# Altium PCB LimeSDR-QPCIe_1v2.PcbDoc (part 5 of 21) (continued)
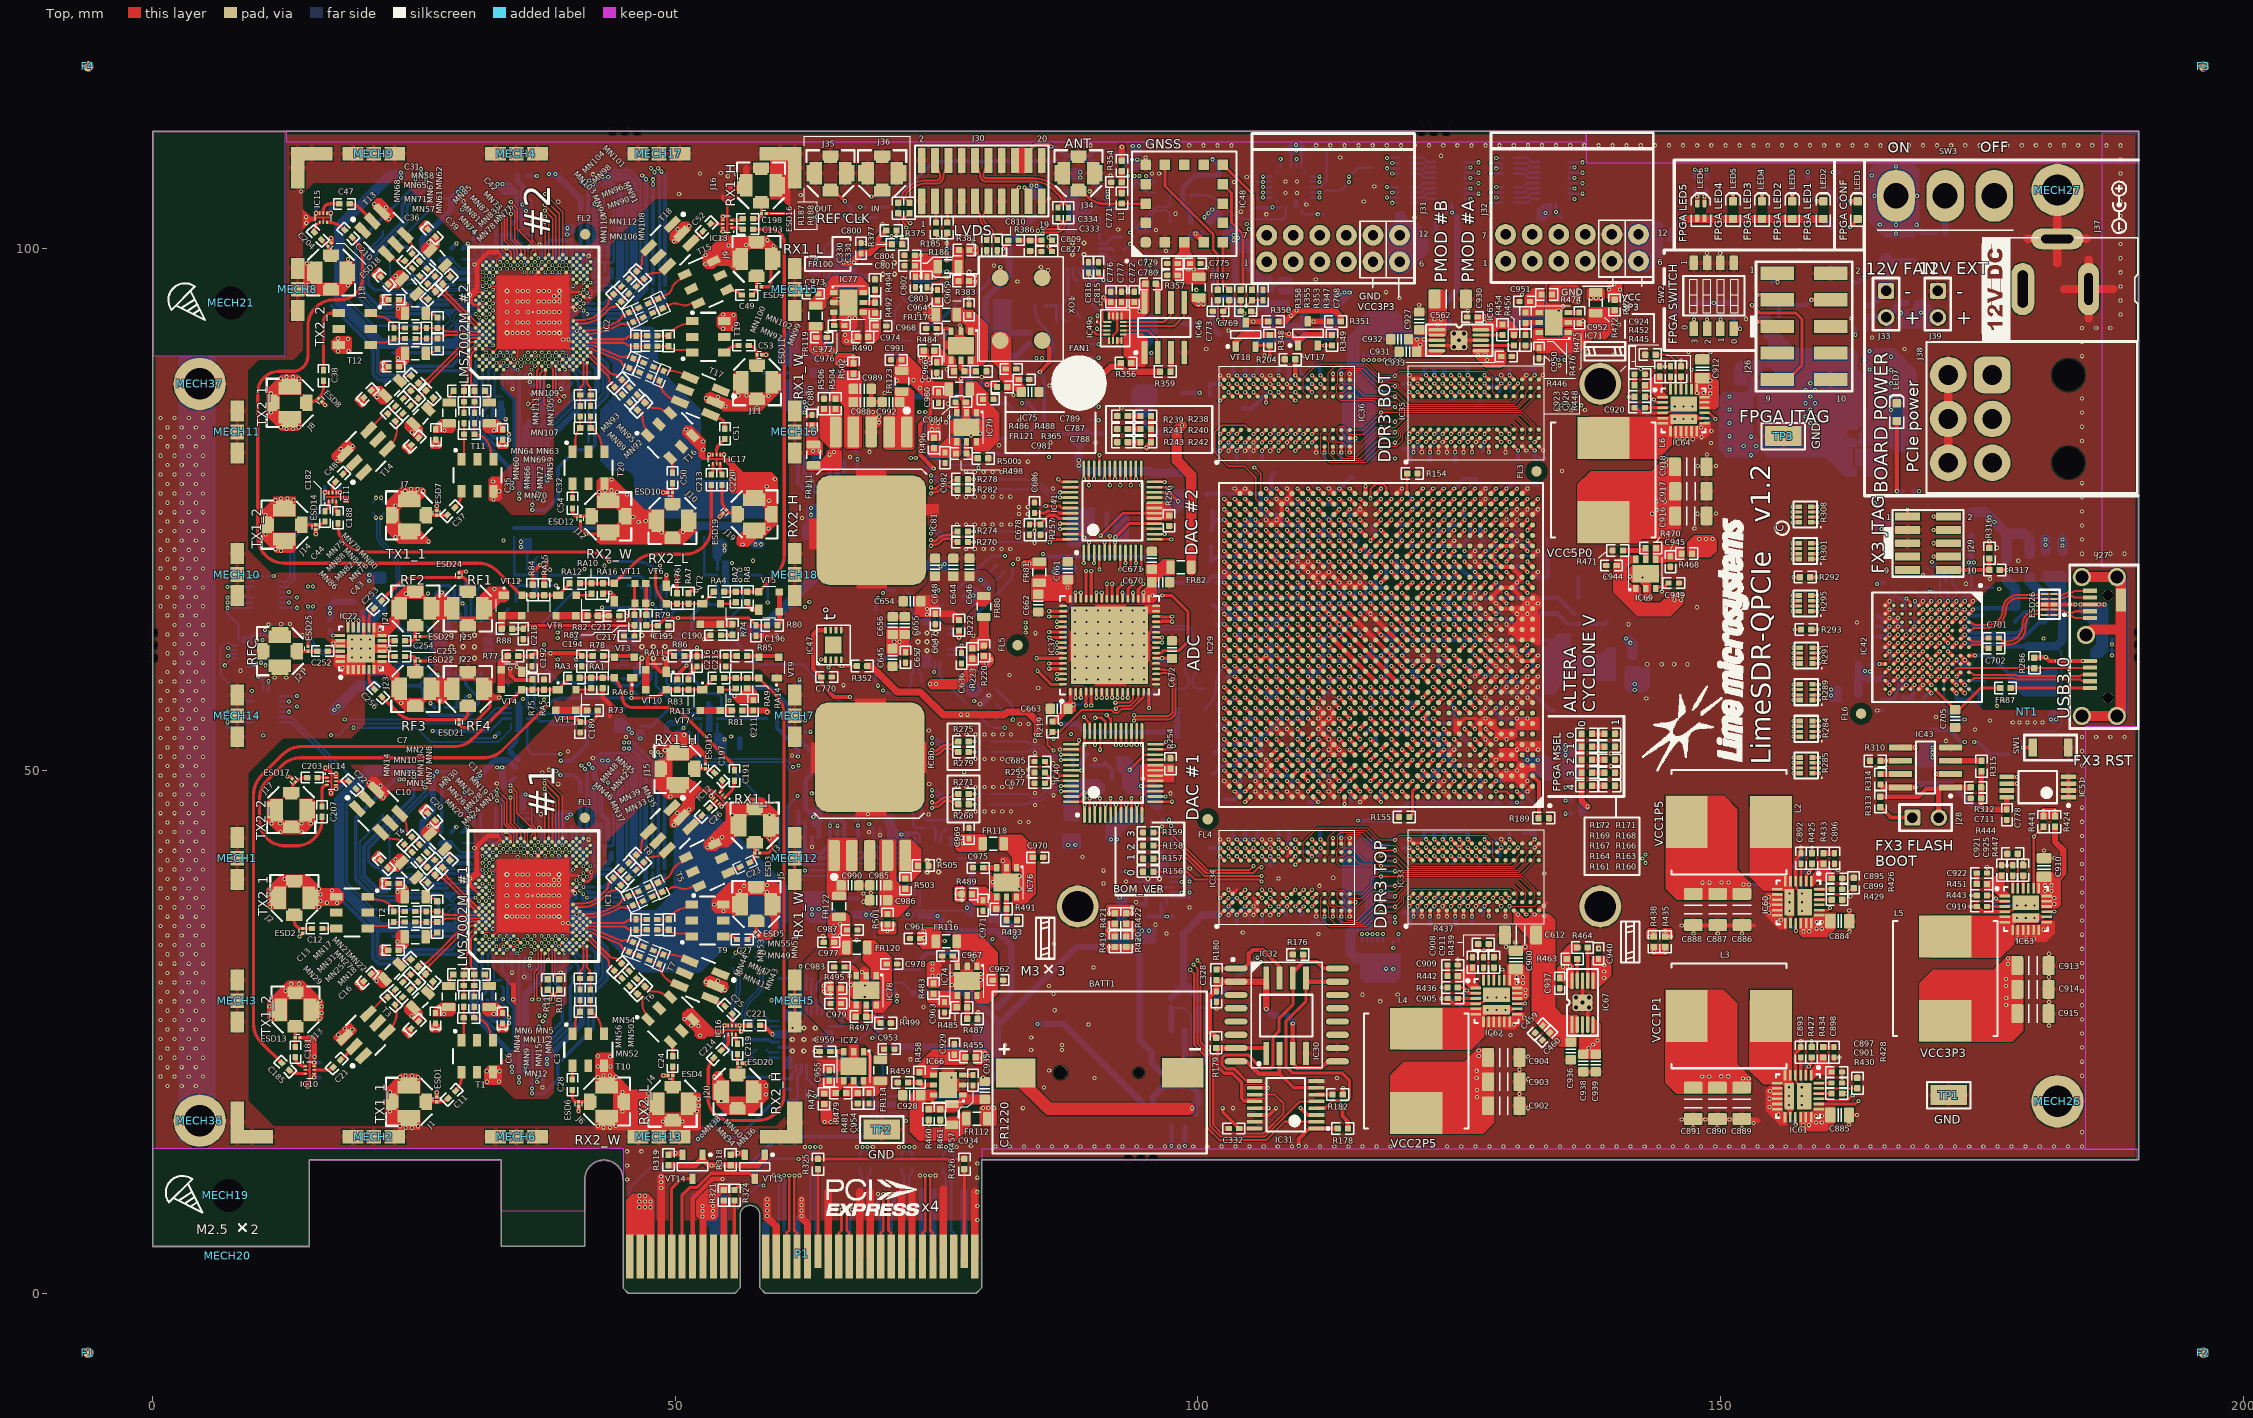
[diagram p0: Top view]
## Part data (continued)
J28 J33 J39: library part Jumper
J29: library part "Header 5X2_SWD", "Header, 5-Pin, Dual row"
J31 J32: library part PMOD_connector, "Header, 4-Pin, Dual row"
J35: library part RF_IF_connector
J37: "Power Connector, THT, 2.1mm ID, 5.5mm OD"
J38: library part PCIe_PWR_HEADER_6PIN
L1 L2 L3 L4 L5 L6 MN1 MN2 MN3 MN4 MN5 MN6 MN7 MN8 MN17 MN18 MN19 MN20 MN21 MN22 MN23 MN24 MN35 MN36 MN51 MN52 MN57 MN58 MN59 MN60 MN61 MN62 MN63 MN64 MN73 MN74 MN75 MN76 MN77 MN78 MN79 MN80 MN91 MN92 MN107 MN108: library part Inductor_0603
LED6: library part LED_green_red_SMD
MECH1 MECH2 MECH3 MECH4 MECH5 MECH6 MECH7 MECH8 MECH9 MECH10 MECH11 MECH12 MECH13 MECH14 MECH15 MECH16 MECH17 MECH18: library part RFI_SHIELD_CLIP
MECH19: library part PCIe_bracket
MECH20 MECH21 MECH26 MECH27 MECH36 MECH37: library part "STANDOFF_M-F_THREADED_M3x8x10mm_HEX_5mm dia", "STANDOFF M/F MET 5MM HEX 10MM L"
R1 R2 R3 R4 R5 R6 R7 R8 R9 R10 R11 R12 R13 R14 R15 R16 R17 R18 R19 R20 R21 R22 R23 R24 R25 R26 R27 R28 R29 R30 R31 R32 R33 R34 R35 R36 R37 R38 R39 R40 R41 R42 R43 R44 R45 R46 R47 R48 R49 R50 R51 R52 R53 R54 R55 R56 R57 R58 R59 R60 R61 R62 R63 R64 R65 R66 R67 R68 R69 R70 R71 R72 R73 R74 R75 R76 R77 R78 R79 R80 R81 R82 R83 R84 R85 R86 R87 R88 R89 R90 R91 R92 R93 R94 R95 R96 R97 R98 R99 R100 R101 R102 R103 R104 R105 R106 R107 R108 R109 R110 R111 R112 R113 R114 R115 R116 R117 R118 R119 R120 R121 R122 R123 R124 R125 R126 R127 R128 R129 R130 R131 R132 R133 R134 R135 R136 R137 R138 R139 R140 R141 R142 R143 R144 R145 R146 R147 R148 R149 R150 R151 R152 R153 R154 R155 R156 R157 R158 R159 R160 R161 R162 R163 R164 R165 R166 R167 R168 R169 R170 R171 R172 R173 R174 R175 R176 R177 R178 R179 R180 R181 R182 R183 R184 R185 R186 R187 R188 R189 R190 R191 R193 R194 R196 R198 R199 R201 R202 R204 R206 R207 R208 R209 R210 R211 R212 R213 R214 R215 R216 R217 R218 R219 R220 R221 R222 R223 R224 R225 R226 R227 R228 R229 R230 R231 R232 R233 R234 R235 R236 R237 R238 R239 R240 R241 R242 R243 R244 R245 R246 R247 R248 R249 R250 R251 R252 R253 R254 R255 R256 R257 R258 R259 R260 R261 R262 R263 R264 R265 R266 R267 R268 R269 R270 R271 R272 R273 R274 R275 R276 R277 R278 R279 R280 R281 R282 R283 R286 R287 R288 R290 R292 R293 R294 R296 R297 R298 R299 R300 R302 R303 R304 R305 R306 R307 R309 R310 R311 R312 R313 R314 R315 R316 R317 R318 R319 R320 R321 R322 R323 R324 R325 R326 R331 R332 R333 R334 R335 R336 R337 R338 R339 R340 R341 R342 R343 R344 R345 R346 R347 R348 R349 R350 R351 R352 R353 R354 R355 R356 R357 R358 R359 R360 R361 R362 R363 R364 R365 R366 R367 R368 R369 R370 R371 R372 R373 R374 R375 R376 R377 R378 R379 R380 R381 R382 R383 R384 R385 R386 R387 R388 R389 R390 R391 R392 R393 R394 R395 R396 R397 R398 R399 R400 R401 R402 R403 R404 R405 R406 R407 R408 R409 R410 R411 R412 R413 R414 R415 R416 R417 R418 R419 R420 R421 R422 R423 R424 R425 R426 R427 R428 R429 R430 R431 R432 R433 R434 R435 R436 R437 R438 R439 R440 R441 R442 R443 R444 R445 R446 R447 R448 R449 R450 R451 R452 R453 R454 R455 R456 R457 R458 R459 R460 R461 R462 R463 R464 R465 R466 R467 R468 R469 R470 R471 R472 R473 R474 R475 R476 R477 R478 R479 R480 R481 R482 R483 R484 R485 R486 R487 R488 R489 R490 R491 R492 R493 R494 R495 R496 R497 R498 R499 R500 R501 R502 R503 R504 R505 R506 RA1 RA2 RA3 RA4 RA5 RA6 RA7 RA8 RA9 RA10 RA11 RA12 RA13 RA14 RA15 RA16: library part Res_0402
R192 R195 R197 R200 R203 R205: library part 8X_resistor_array_0402
R284 R285 R289 R291 R295 R301 R308 R327 R328 R329 R330: library part ResArray_0802
SW1: library part Button
SW2: library part SW_SM_4bit
SW3: library part SW_THD_SPDT_On-On_v2, "Switch THD vertical toggle SPDT"
T3 T4 T7 T8 T13 T14 T17 T18: library part Balun_v2
TP1 TP2 TP3 TP4 TP5: "Test Point PCB mount Miniature White"
VT1 VT2 VT3 VT4 VT5 VT6 VT7 VT8 VT9 VT10 VT11 VT12: library part BF1105R,215
VT19 VT20: library part BSC093N04LS_G
XO1: library part AOCJYR-10.000MHz
XO2: library part RPT7050A
XO3: library part TXCO
XO4: library part Rakon_RTX5032A
XO5 XO6: library part CRYSTAL, "Oscillator Crystal"
XO7 XO8 XO9: library part CRYSTAL_SG3225, "Oscillator Crystal"
XT1: library part CRYSTAL_19M2, "Oscillator Crystal 19.2 MHz"
XT2: library part CRYSTAL_19M2, "Oscillator Crystal 25 MHz"

## Free pads (board coordinates)
  round 0.8 hole 0.9 unplated: 0(0.05,60.775) 0(0.05,61.975) 0(0.05,63.175) 0(43.975,111.2) 0(45.175,111.2) 0(46.375,111.2) 0(93.35,12.8) 0(94.55,12.8) 0(95.75,12.8) 0(121.375,111.175) 0(122.575,111.175) 0(123.775,111.175) 0(190.025,60.825) 0(190.025,62.025) 0(190.025,63.225)
  rect 1.3x4 smd: 0(8.1,16.325) 0(13.875,107.675) 0(61.425,107.675)
  rect 4x1.3 smd: 0(9.525,14.975) 0(15.225,109.025) 0(60.075,109.025) 0(60.1,14.975)
  rect 1.5x4 smd: 0(61.425,16.325)
  round 2.88 hole 3.18 unplated: MH1(7.25,9.35) MH2(7.5,94.75)

## Via types
v1: diameter 0.4, hole 0.2, Top to Bottom, tented both sides, 3282 vias
v2: diameter 0.4, hole 0.2, Top to Bottom, tented top, 531 vias
v3: diameter 0.35, hole 0.2, Top to Bottom, tented top, 210 vias
v4: diameter 0.5, hole 0.2, Top to Bottom, tented both sides, 99 vias
v5: diameter 0.5, hole 0.2, Top to Bottom, tented bottom, 49 vias

## Nets (pads, with @x,y where several pads share a name; then routed paths per layer and width w, separated by ;. In a path a pad name is that pad's centre, name@x,y a point inside that pad or via, vN(x,y) a via of type N, cw(c..) or ccw(c..) an arc to the next point about the centre after c; other vN are vias at no path point)
+1.5V_DIG_LMK3: C261.2 C262.2 C263.2 C264.2 C265.2 C266.2 FR73.2 IC21.2 IC21.6 IC21.19 IC21.23 | length 46.2
  L6 w0.4: v1(62.425,40.45) 71.55,40.45 75.125,36.875 v1(77.925,36.875)
  Bottom w0.2: IC21.2@72.25,39.6 71.625,39.6 71.35,39.325 C263.2@71.35,38 71.35,36.55 72.075,35.825 72.45,35.825 72.75,36.125 72.75,36.35 73,36.6 77.65,36.6
  Bottom w0.25: v1(62.425,40.45) 65.35,40.45 66.5,41.6 C265.2@70.65,41.6 IC21.6@72.25,41.6 ; IC21.23@77.05,39.625 C264.2@78.375,39.625 ; IC21.19@77.05,41.625 C266.2@78.375,41.625
  Bottom w0.5: FR73.2@78.375,36.2 C264.2@78.375,39.625 C266.2@78.375,41.625
+1.8V_DIG_LMK: C801.2 C802.2 C803.2 C804.2 FR100.2 IC52.2 IC52.6 | length 1.4
  Bottom w0.254: IC52.6@72.825,97.3 v1(73.525,97.3) ; IC52.2@72.825,99.3 v1(73.525,99.3)
+3.3V_DIG_LMK: C797.2 C798.2 C799.2 C800.2 C805.2 FR99.2 IC52.10 IC52.19 IC52.23 R375.2 R377.1 | length 17.1
  Top w0.5: R375.2@70.175,101.675 69.4,100.9 69.4,100.35 R377.1@70.725,100.35
  Top w0.7: v1(66.1,98.6) 66.875,98.6 67.8,99.525 68.575,99.525 69.4,100.35
  L3 w0.7: v1@66.122,98.578 67.122,98.578 70.075,95.625 72.15,95.625 v1(72.675,95.1)
  Bottom w0.25: IC52.10@71.675,95.65 71.675,95.289 72.364,94.6 C805.2@72.65,94.6
  Bottom w0.4: C805.2@72.65,94.6 72.675,94.625 v1(72.675,95.1)
  other v1: 66.6,98.6 67.1,98.6
+3.3V_DIG_LMK2: C847.2 C848.2 C849.2 C850.2 FR106.2 IC55.8 IC55.23 R411.1 | length 20.4
  L6 w0.6: v1(97.025,36.05) 99.199,36.05 100.325,37.176 100.325,41.85 v1(97.45,44.725)
  Bottom w0.4: FR106.2@95.275,36.05 C849.2@96.525,36.05 ; IC55.8@96.525,37.175 C849.2@96.525,36.05 ; IC55.23@96.525,40.7 C848.2@96.525,42.15 97.525,43.15 R411.1@97.575,43.15 C847.2@97.575,44.175 97.575,44.6 v1(97.45,44.725) ; C850.2@97.55,36.05 v1(97.025,36.05) C849.2@96.525,36.05
+3.3V_DIG_LMK3: C267.2 C268.2 C269.2 FR74.2 IC21.10 R110.1 | length 29.2
  L4 w0.3: v1(71.625,43.875) 71.8,43.7 71.8,39.4 v1(75.1,36.1)
  Bottom w0.25: 70.75,44.025 73.175,44.025 73.4,43.8 IC21.10@73.4,43.25
  Bottom w0.6: R110.1@73.4,36.1 v1(75.1,36.1) 75.525,35.675 75.525,35.25 76.125,34.65 80.775,34.65 82.15,33.275 82.15,28.65 FR74.2@80.832,27.332
ADC_CLK: IC29.N30 IC39.5 | length 5.4
  Top w0.4: v2(102.525,60) IC29.N30@103.025,59.5
  Bottom w0.254: IC39.5@100.619,55.85 101.031,56.262 ccw(c99.235,58.058) 101.775,58.058 101.775,58.198 cw(c104.315,58.198) 102.519,59.994 v2(102.525,60)
ADC_CLK_N: C639.2 IC39.3 R208.1 | length 3.9
  Bottom w0.2: IC39.3@98.019,57.75 cw(c98.26,57.509) 98.26,57.85 98.544,57.85 ccw(c98.544,58.475) 99.169,58.475 99.169,58.755 ccw(c98.939,58.755) 99.101,58.917 cw(c99.784,59.6) R208.1@98.819,59.6 C639.2@98.819,60.7
ADC_CLK_P: C638.2 IC39.4 R208.2 | length 3.9
  Bottom w0.2: C638.2@99.819,60.7 99.819,60 R208.2@99.819,59.6 cw(c98.853,59.6) 99.536,58.917 ccw(c99.698,58.755) 99.469,58.755 99.469,58.475 ccw(c100.094,58.475) 100.094,57.85 100.377,57.85 cw(c100.377,57.509) IC39.4@100.619,57.75
ADC_CLKC_N: C639.1 IC37.26 | length 7.4
  Top w0.3: IC37.26@95.75,62.75 IC37.26@96,62.75 v1(96.575,62.75)
  Bottom w0.2: v1(96.575,62.75) cw(c96.334,62.991) 96.334,62.65 96.025,62.65 cw(c96.025,62.925) 95.75,62.925 95.75,63.175 cw(c96.1,63.175) 96.1,63.525 98.75,63.525 cw(c98.75,63.106) 99.169,63.106 99.169,62.545 cw(c98.939,62.545) 99.101,62.383 ccw(c99.784,61.7) C639.1@98.819,61.7
ADC_CLKC_P: C638.1 IC37.25 | length 8.9
  Top w0.3: IC37.25@95.75,62.25 IC37.25@96,62.25 v1(96.575,62.25)
  Bottom w0.2: v1(96.575,62.25) ccw(c96.334,62.009) 96.334,62.35 96.025,62.35 cw(c96.025,62.925) 95.45,62.925 95.45,63.175 cw(c96.1,63.175) 96.1,63.825 98.874,63.825 cw(c98.874,63.231) 99.469,63.231 99.469,62.545 ccw(c99.698,62.545) 99.536,62.383 cw(c98.853,61.7) C638.1@99.819,61.7
ADC_CLKOUT_N: IC29.L13 IC37.56 | length 47.4
  Top w0.3: v1(86.525,62.25) IC37.56@87.1,62.25 IC37.56@87.35,62.25
  Top w0.4: v2(119.525,58) IC29.L13@120.025,57.5
  L6 w0.1: v1(86.525,62.25) 86.675,62.1 87.083,62.1 87.35,61.833 87.35,60.625 87.575,60.4 89.5,60.4 89.825,60.725 89.825,61.175 90.225,61.575 90.833,61.575 91.125,61.283 91.125,60.575 91.3,60.4 91.742,60.4 91.975,60.633 91.975,61.233 92.342,61.6 92.883,61.6 93.3,61.183 93.3,60.642 93.542,60.4 93.875,60.4 94.175,60.7 94.175,61.183 94.542,61.55 95.733,61.55 96.125,61.158 96.125,59.825 96.325,59.625 96.9,59.625 ccw(c96.9,59.829) 97.104,59.829 97.104,60.114 cw(c97.508,60.114) 97.912,60.114 97.912,59.525 ccw(c97.987,59.525) 97.987,59.45 98.245,59.45 ccw(c98.245,59.525) 98.32,59.525 98.32,60.114 cw(c98.724,60.114) 99.128,60.114 99.128,59.525 ccw(c99.203,59.525) 99.203,59.45 99.461,59.45 ccw(c99.461,59.525) 99.536,59.525 99.536,60.114 cw(c99.94,60.114) 100.344,60.114 100.344,59.829 ccw(c100.548,59.829) 100.548,59.625 116.678,59.625 117.075,59.228 117.075,58.9 117.325,58.65 118.908,58.65 119.125,58.433 119.125,58.125 119.25,58 v2(119.525,58)
ADC_CLKOUT_P: IC29.L14 IC37.57 | length 46.8
  Top w0.3: v1(86.525,61.75) IC37.57@87.1,61.75
  Top w0.4: v2(118.525,58) IC29.L14@119.025,57.5
  L6 w0.1: v1(86.525,61.75) 86.675,61.9 87,61.9 87.15,61.75 87.15,60.542 87.492,60.2 89.583,60.2 90.025,60.642 90.025,61.092 90.308,61.375 90.75,61.375 90.925,61.2 90.925,60.492 91.217,60.2 91.825,60.2 92.175,60.55 92.175,61.15 92.425,61.4 92.8,61.4 93.1,61.1 93.1,60.559 93.459,60.2 93.958,60.2 94.375,60.617 94.375,61.1 94.625,61.35 95.65,61.35 95.925,61.075 95.925,59.742 96.242,59.425 96.9,59.425 ccw(c96.9,59.829) 97.304,59.829 97.304,60.114 cw(c97.508,60.114) 97.712,60.114 97.712,59.525 ccw(c97.987,59.525) 97.987,59.25 98.245,59.25 ccw(c98.245,59.525) 98.52,59.525 98.52,60.114 cw(c98.724,60.114) 98.928,60.114 98.928,59.525 ccw(c99.203,59.525) 99.203,59.25 99.461,59.25 ccw(c99.461,59.525) 99.736,59.525 99.736,60.114 cw(c99.94,60.114) 100.144,60.114 100.144,59.829 ccw(c100.548,59.829) 100.548,59.425 116.595,59.425 116.875,59.145 116.875,58.817 117.242,58.45 118.825,58.45 118.925,58.35 118.925,58.125 118.8,58 v2(118.525,58)
ADC_CTRL1: IC37.35 R238.1 R239.2 | length 22.9
  Top w0.3: IC37.35@94.3,66.2 IC37.35@94.3,66.45 94.3,67.35 v1(94.8,67.85)
  Top w0.6: R239.2@93.287,83.925 v1(93.9,83.925) R238.1@94.513,83.925
  L12 w0.1: v1(93.9,83.925) 98.925,78.9 98.925,71.975 v1(94.8,67.85)
ADC_CTRL2: IC37.36 R240.1 R241.2 | length 22.1
  Top w0.3: IC37.36@93.8,66.2 v1(93.8,67.025)
  Top w0.6: R241.2@93.287,82.675 R240.1@94.513,82.675
  L12 w0.1: v1(93.8,67.025) 94.15,67.375 94.15,67.917 94.579,68.346 95.013,68.346 98.725,72.058 98.725,78.1 94.15,82.675 v1(93.9,82.675)
ADC_CTRL3: IC37.37 R242.1 R243.2 | length 21.3
  Top w0.3: IC37.37@93.3,66.2 93.3,67.35 v1(93.8,67.85)
  Top w0.6: R243.2@93.287,81.425 v1(93.9,81.425) R242.1@94.513,81.425
  L12 w0.1: v1(93.8,67.85) 94.496,68.546 94.93,68.546 98.525,72.141 98.525,77.625 96.1,80.05 95.275,80.05 v1(93.9,81.425)
ADC_DA0_N: IC29.L9 IC37.40 | length 47.2
  Top w0.3: IC37.40@91.8,66.2 IC37.40@91.8,66.45 v1(91.8,67.875)
  Top w0.4: v2(123.525,58) IC29.L9@124.025,57.5
  L6 w0.1: v1(91.8,67.875) 91.65,67.725 91.65,67.025 92,66.675 95.175,66.675 95.45,66.4 96.35,65.5 96.944,65.5 ccw(c96.944,65.704) 97.148,65.704 97.148,66.476 cw(c97.552,66.476) 97.956,66.476 97.956,65.704 ccw(c98.16,65.704) 98.364,65.704 cw(c98.768,65.704) 99.172,65.704 ccw(c99.376,65.704) 99.58,65.704 99.58,66.476 cw(c99.984,66.476) 100.388,66.476 100.388,65.704 ccw(c100.592,65.704) 100.592,65.5 101.483,65.5 102.333,64.65 121.683,64.65 122.1,64.233 122.1,59.7 122.25,59.55 122.753,59.55 123.125,59.178 123.125,58.4 v2(123.525,58)
ADC_DA0_P: IC29.L10 IC37.41 | length 47.2
  Top w0.3: IC37.41@91.3,66.2 IC37.41@91.3,66.45 v1(91.3,67.875)
  Top w0.4: v2(122.525,58) IC29.L10@123.025,57.5
  L6 w0.1: v1(91.3,67.875) 91.45,67.725 91.45,66.942 91.917,66.475 95.092,66.475 96.267,65.3 96.944,65.3 ccw(c96.944,65.704) 97.348,65.704 97.348,66.476 cw(c97.552,66.476) 97.756,66.476 97.756,65.704 ccw(c98.16,65.704) 98.564,65.704 cw(c98.768,65.704) 98.972,65.704 ccw(c99.376,65.704) 99.78,65.704 99.78,66.476 cw(c99.984,66.476) 100.188,66.476 100.188,65.704 ccw(c100.592,65.704) 100.592,65.3 101.4,65.3 102.25,64.45 121.6,64.45 121.9,64.15 121.9,59.617 122.167,59.35 122.67,59.35 122.925,59.095 122.925,58.4 v2(122.525,58)
ADC_DA1_N: IC29.N11 IC37.42 | length 47
  Top w0.3: IC37.42@90.8,66.2 IC37.42@90.8,66.45 v1(90.8,67.025)
  Top w0.4: IC29.N11@122.025,59.5 v2(122.525,60)
  L6 w0.1: v1(90.8,67.025) 90.65,67.175 90.65,68.025 90.85,68.225 95.825,68.225 96.05,68 96.05,67.442 96.317,67.175 97.718,67.175 ccw(c97.718,67.579) 98.122,67.579 98.122,67.987 cw(c98.326,67.987) 98.53,67.987 98.53,66.698 ccw(c98.934,66.698) 99.338,66.698 99.338,67.987 cw(c99.542,67.987) 99.746,67.987 99.746,67.579 ccw(c100.15,67.579) 100.15,67.175 100.542,67.175 101.15,66.567 101.15,66.117 101.917,65.35 103.375,65.35 122.67,65.35 122.925,65.095 122.925,60.175 122.75,60 v2(122.525,60)
ADC_DA1_P: IC29.P10 IC37.43 | length 47.7
  Top w0.3: IC37.43@90.3,66.2 IC37.43@90.3,66.45 v1(90.3,67.025)
  Top w0.4: IC29.P10@123.025,60.5 v2(123.525,60)
  L6 w0.1: v1(90.3,67.025) 90.45,67.175 90.45,68.108 90.767,68.425 91.072,68.425 95.908,68.425 96.25,68.083 96.25,67.525 96.4,67.375 97.718,67.375 ccw(c97.718,67.579) 97.922,67.579 97.922,67.987 cw(c98.326,67.987) 98.73,67.987 98.73,66.698 ccw(c98.934,66.698) 99.138,66.698 99.138,67.987 cw(c99.542,67.987) 99.946,67.987 99.946,67.579 ccw(c100.15,67.579) 100.15,67.375 100.625,67.375 100.775,67.225 101.35,66.65 101.35,66.2 102,65.55 103.375,65.55 122.753,65.55 123.125,65.178 123.125,60.175 123.3,60 v2(123.525,60)
ADC_DA2_N: IC29.N9 IC37.44 | length 47.2
  Top w0.3: IC37.44@89.8,66.2 v1(89.8,69.1)
  Top w0.4: IC29.N9@124.025,59.5 v2(124.525,59)
  L6 w0.1: v1(89.8,69.1) 89.65,68.95 89.65,68.683 89.808,68.525 90.301,68.525 90.601,68.825 100.183,68.825 102.408,66.6 123.7,66.6 124.125,66.175 124.125,59.4 v2(124.525,59)
ADC_DA2_P: IC29.N10 IC37.45 | length 47.2
  Top w0.3: IC37.45@89.3,66.2 v1(89.3,69.1)
  Top w0.4: IC29.N10@123.025,59.5 v2(123.525,59)
  L6 w0.1: v1(89.3,69.1) 89.45,68.95 89.45,68.6 89.725,68.325 90.384,68.325 90.684,68.625 100.1,68.625 102.325,66.4 123.617,66.4 123.925,66.092 123.925,59.4 v2(123.525,59)
ADC_DA3_N: IC29.R11 IC37.46 | length 47.2
  Top w0.3: IC37.46@88.8,66.2 IC37.46@88.8,66.45 v1(88.8,67.025)
  Top w0.4: v2(121.525,62) IC29.R11@122.025,61.5
  L6 w0.1: v1(88.8,67.025) 88.65,66.875 88.65,66.425 88.8,66.275 95.009,66.275 97.634,63.65 98.169,63.65 ccw(c98.169,63.854) 98.373,63.854 98.373,64.617 cw(c98.777,64.617) 99.181,64.617 99.181,63.3 ccw(c99.385,63.3) 99.589,63.3 99.589,64.617 cw(c99.993,64.617) 100.397,64.617 100.397,63.3 ccw(c100.601,63.3) 100.805,63.3 100.805,64.516 cw(c101.209,64.516) 101.613,64.516 101.613,63.259 ccw(c101.817,63.259) 102.021,63.259 cw(c102.412,63.259) 102.412,63.65 120.808,63.65 121.125,63.333 121.125,62.175 121.3,62 v2(121.525,62)
ADC_DA3_P: IC29.R12 IC37.47 | length 47.2
  Top w0.3: IC37.47@88.3,66.2 IC37.47@88.3,66.45 v1(88.3,67.025)
  Top w0.4: v2(120.525,62) IC29.R12@121.025,61.5
  L6 w0.1: v1(88.3,67.025) 88.45,66.875 88.45,66.342 88.717,66.075 94.926,66.075 97.551,63.45 98.169,63.45 ccw(c98.169,63.854) 98.573,63.854 98.573,64.617 cw(c98.777,64.617) 98.981,64.617 98.981,63.3 ccw(c99.385,63.3) 99.789,63.3 99.789,64.617 cw(c99.993,64.617) 100.197,64.617 100.197,63.3 ccw(c100.601,63.3) 101.005,63.3 101.005,64.516 cw(c101.209,64.516) 101.413,64.516 101.413,63.259 ccw(c101.817,63.259) 102.221,63.259 cw(c102.412,63.259) 102.412,63.45 120.725,63.45 120.925,63.25 120.925,62.175 120.75,62 v2(120.525,62)
ADC_DA4_N: IC29.N12 IC37.50 | length 47.4
  Top w0.3: v1(85.775,65.25) IC37.50@87.1,65.25 IC37.50@87.45,65.25
  Top w0.4: IC29.N12@121.025,59.5 v2(121.525,60)
  L6 w0.1: v1(85.775,65.25) 85.925,65.1 86.4,65.1 86.6,65.3 86.6,65.942 85.4,67.142 85.4,67.983 85.742,68.325 86.633,68.325 87.025,67.933 87.025,67.375 88.95,65.45 88.95,65.134 89.234,64.85 95.825,64.85 98.05,62.625 119.678,62.625 120.125,62.178 120.125,61.883 121.125,60.883 121.125,60.15 121.275,60 v2(121.525,60)
ADC_DA4_P: IC29.P12 IC37.51 | length 46.7
  Top w0.3: v1(85.775,64.75) IC37.51@87.1,64.75
  Top w0.4: v2(120.525,60) IC29.P12@121.025,60.5
  L6 w0.1: v1(85.775,64.75) 85.925,64.9 86.483,64.9 86.8,65.217 86.8,66.025 85.6,67.225 85.6,67.9 85.825,68.125 86.55,68.125 86.825,67.85 86.825,67.292 88.75,65.367 88.75,65.051 89.151,64.65 95.742,64.65 97.967,62.425 119.595,62.425 119.925,62.095 119.925,61.8 120.925,60.8 120.925,60.15 120.775,60 v2(120.525,60)
ADC_DA5_N: IC29.M11 IC37.52 | length 47.4
  Top w0.3: v1(86.525,64.25) IC37.52@87.1,64.25 IC37.52@87.35,64.25
  Top w0.4: v2(121.525,59) IC29.M11@122.025,58.5
  L6 w0.1: v1(86.525,64.25) 86.675,64.1 86.892,64.1 87.05,64.258 87.05,64.783 87.367,65.1 87.825,65.1 88.125,64.8 88.499,64.8 88.875,64.424 88.875,62.9 89.075,62.7 89.575,62.7 89.85,62.975 89.85,63.349 90.226,63.725 93.008,63.725 93.35,63.383 93.35,62.934 93.665,62.62 94.055,62.62 94.25,62.814 94.25,63.349 94.626,63.725 96.384,63.725 97.125,62.984 97.125,61.725 97.3,61.55 97.6,61.55 ccw(c97.6,61.754) 97.804,61.754 97.804,61.813 cw(c98.208,61.813) 98.612,61.813 98.612,61.754 ccw(c98.816,61.754) 99.02,61.754 99.02,61.813 cw(c99.424,61.813) 99.828,61.813 99.828,61.754 ccw(c100.032,61.754) 100.236,61.754 100.236,61.813 cw(c100.64,61.813) 101.044,61.813 101.044,61.754 ccw(c101.248,61.754) 101.248,61.55 119.297,61.55 119.753,61.55 120.175,61.128 120.175,59.855 120.38,59.65 120.908,59.65 121.125,59.433 121.125,59.125 121.25,59 v2(121.525,59)
ADC_DA5_P: IC29.M12 IC37.53 | length 47.1
  Top w0.3: v1(86.525,63.75) IC37.53@87.1,63.75 IC37.53@87.35,63.75
  Top w0.4: v2(120.525,59) IC29.M12@121.025,58.5
  L6 w0.1: v1(86.525,63.75) 86.675,63.9 86.975,63.9 87.25,64.175 87.25,64.7 87.45,64.9 87.742,64.9 88.042,64.6 88.416,64.6 88.675,64.341 88.675,62.817 88.992,62.5 89.658,62.5 90.05,62.892 90.05,63.266 90.309,63.525 92.925,63.525 93.15,63.3 93.15,62.851 93.582,62.42 94.138,62.42 94.45,62.731 94.45,63.266 94.709,63.525 96.301,63.525 96.925,62.901 96.925,61.642 97.217,61.35 97.6,61.35 ccw(c97.6,61.754) 98.004,61.754 98.004,61.813 cw(c98.208,61.813) 98.412,61.813 98.412,61.754 ccw(c98.816,61.754) 99.22,61.754 99.22,61.813 cw(c99.424,61.813) 99.628,61.813 99.628,61.754 ccw(c100.032,61.754) 100.436,61.754 100.436,61.813 cw(c100.64,61.813) 100.844,61.813 100.844,61.754 ccw(c101.248,61.754) 101.248,61.35 119.38,61.35 119.67,61.35 119.975,61.045 119.975,59.772 120.297,59.45 120.825,59.45 120.925,59.35 120.925,59.125 120.8,59 v2(120.525,59)
ADC_DA6_N: IC29.K11 IC37.54 | length 47.2
  Top w0.3: v1(85.775,63.25) IC37.54@87.1,63.25
  Top w0.4: IC29.K11@122.025,56.5 v2(122.525,57)
  L6 w0.1: v1(85.775,63.25) 85.925,63.1 87.525,63.1 87.825,62.8 87.825,61.725 88.05,61.5 89.5,61.5 89.775,61.775 89.775,62.308 90.117,62.65 92.849,62.65 93.275,62.224 93.275,61.774 93.524,61.525 93.951,61.525 94.2,61.774 94.2,62.199 94.651,62.65 95.5,62.65 97,61.15 101.4,61.15 102,60.55 103.025,60.55 116.508,60.55 116.753,60.55 117.125,60.178 117.125,59.744 117.318,59.55 117.742,59.55 117.95,59.758 117.95,60.25 118.275,60.575 118.733,60.575 119.125,60.183 119.125,59.725 119.25,59.6 119.808,59.6 120.1,59.308 120.1,58.75 120.275,58.575 121.55,58.575 122.125,58 122.125,57.2 122.325,57 v2(122.525,57)
ADC_DA6_P: IC29.L11 IC37.55 | length 46.8
  Top w0.3: v1(85.775,62.75) IC37.55@87.1,62.75
  Top w0.4: v2(121.525,57) IC29.L11@122.025,57.5
  L6 w0.1: v1(85.775,62.75) 85.925,62.9 87.442,62.9 87.625,62.717 87.625,61.642 87.967,61.3 89.583,61.3 89.975,61.692 89.975,62.225 90.2,62.45 92.766,62.45 93.075,62.141 93.075,61.691 93.441,61.325 94.034,61.325 94.4,61.691 94.4,62.116 94.734,62.45 95.417,62.45 96.917,60.95 101.317,60.95 101.917,60.35 103.025,60.35 116.425,60.35 116.67,60.35 116.925,60.095 116.925,59.661 117.236,59.35 117.825,59.35 118.15,59.675 118.15,60.167 118.358,60.375 118.65,60.375 118.925,60.1 118.925,59.642 119.167,59.4 119.725,59.4 119.9,59.225 119.9,58.667 120.192,58.375 121.467,58.375 121.925,57.917 121.925,57.2 121.725,57 v2(121.525,57)
ADC_DB0_N: IC29.J12 IC37.60 | length 47.1
  Top w0.3: v1(85.775,60.25) IC37.60@87.1,60.25
  Top w0.4: IC29.J12@121.025,55.5 v2(121.525,56)
  L6 w0.1: v1(85.775,60.25) 85.925,60.1 87.133,60.1 87.933,59.3 88.308,59.3 88.499,59.3 88.9,58.899 88.9,58.308 89.233,57.975 89.6,57.975 89.85,58.225 89.85,60.049 90.201,60.4 90.699,60.4 91.075,60.024 91.075,59.475 91.25,59.3 91.8,59.3 91.975,59.475 91.975,60.058 92.367,60.45 92.926,60.45 93.3,60.076 93.3,59.45 93.45,59.3 93.967,59.3 94.225,59.558 94.225,60.083 94.592,60.45 95.183,60.45 95.625,60.008 95.625,59.625 96.2,59.05 101.958,59.05 102.333,58.675 116.658,58.675 117.1,58.233 117.1,57.875 117.425,57.55 120.833,57.55 121.125,57.258 121.125,56.4 v2(121.525,56)
ADC_DB0_P: IC29.K12 IC37.61 | length 46.8
  Top w0.3: v1(85.775,59.75) IC37.61@87.1,59.75
  Top w0.4: v2(120.525,56) IC29.K12@121.025,56.5
  L6 w0.1: v1(85.775,59.75) 85.925,59.9 87.05,59.9 87.816,59.134 87.85,59.1 88.225,59.1 88.416,59.1 88.7,58.816 88.7,58.225 89.15,57.775 89.683,57.775 90.05,58.142 90.05,59.966 90.284,60.2 90.616,60.2 90.875,59.941 90.875,59.392 91.167,59.1 91.883,59.1 92.175,59.392 92.175,59.975 92.45,60.25 92.844,60.25 93.1,59.994 93.1,59.367 93.367,59.1 94.05,59.1 94.425,59.475 94.425,60 94.675,60.25 95.1,60.25 95.425,59.925 95.425,59.542 96.117,58.85 101.875,58.85 102.25,58.475 116.575,58.475 116.9,58.15 116.9,57.792 117.342,57.35 120.75,57.35 120.925,57.175 120.925,56.4 v2(120.525,56)
ADC_DB1_N: IC29.E21 IC37.62 | length 46
  Top w0.3: v1(86.525,59.25) IC37.62@87.1,59.25
  Top w0.4: v2(111.525,51) IC29.E21@112.025,51.5
  L6 w0.1: 86.375,59.1 85.7,59.1 85.3,59.5 85.3,60.008 84.933,60.375 83.867,60.375 83.225,59.733 83.225,59.225 ccw(c83.625,59.225) 83.625,58.825 84.389,58.825 cw(c84.389,58.625) 84.589,58.625 cw(c84.389,58.625) 84.389,58.425 82.261,58.425 ccw(c82.261,58.025) 82.261,57.625 84.145,57.625 cw(c84.145,57.425) 84.345,57.425 cw(c84.145,57.425) 84.145,57.225 83.625,57.225 ccw(c83.625,56.825) 83.225,56.825 83.225,56.525 84.332,55.418 84.999,55.418 89.017,51.4 111.125,51.4 v2(111.525,51)
ADC_DB1_P: IC29.E22 IC37.63 | length 45.3
  Top w0.3: v1(86.525,58.75) IC37.63@87.1,58.75
  Top w0.4: IC29.E22@111.025,51.5 v2(111.525,52)
  L6 w0.1: 86.375,58.9 85.617,58.9 85.1,59.417 85.1,59.925 84.85,60.175 83.95,60.175 83.425,59.65 83.425,59.225 ccw(c83.625,59.225) 83.625,59.025 84.389,59.025 cw(c84.389,58.625) 84.789,58.625 cw(c84.389,58.625) 84.389,58.225 82.261,58.225 ccw(c82.261,58.025) 82.261,57.825 84.145,57.825 cw(c84.145,57.425) 84.545,57.425 cw(c84.145,57.425) 84.145,57.025 83.625,57.025 ccw(c83.625,56.825) 83.425,56.825 83.425,56.608 84.415,55.618 85.082,55.618 89.1,51.6 111.125,51.6 v2(111.525,52)
ADC_DB2_N: IC29.D10 IC37.2 | length 46.8
  Top w0.3: v1(88.3,56.975) IC37.2@88.3,57.55 IC37.2@88.3,57.8
  Top w0.4: IC29.D10@123.025,50.5 v2(123.525,51)
  L6 w0.1: v1(88.3,56.975) 88.45,57.125 88.45,57.425 88.35,57.525 87.775,57.525 87.6,57.35 87.6,56.108 91.708,52 101.741,52 102.325,52.584 102.325,52.6 107.75,52.6 108.3,53.15 108.897,53.15 109.347,53.6 116.7,53.6 116.75,53.55 116.753,53.55 117.653,52.65 118.8,52.65 118.975,52.825 118.975,53.333 119.242,53.6 123.708,53.6 124.125,53.183 124.125,52.488 123.875,52.238 123.875,51.855 123.525,51.505 v2(123.525,51)
ADC_DB2_P: IC29.E11 IC37.3 | length 47.1
  Top w0.3: v1(88.8,56.975) IC37.3@88.8,57.55
  Top w0.4: IC29.E11@122.025,51.5 v2(122.525,52)
  L6 w0.1: v1(88.8,56.975) 88.65,57.125 88.65,57.508 88.433,57.725 87.692,57.725 87.4,57.433 87.4,56.025 91.625,51.8 101.824,51.8 102.424,52.4 107.833,52.4 108.383,52.95 108.983,52.95 109.433,53.4 116.617,53.4 116.667,53.35 116.67,53.35 117.57,52.45 118.883,52.45 119.175,52.742 119.175,53.25 119.325,53.4 123.625,53.4 123.925,53.1 123.925,52.571 123.704,52.35 123.38,52.35 123.03,52 v2(122.525,52)
ADC_DB3_N: IC29.F14 IC37.4 | length 47.5
  Top w0.3: v1(89.3,56.225) IC37.4@89.3,57.55 IC37.4@89.3,57.9
  Top w0.4: v2(118.525,53) IC29.F14@119.025,52.5
  L6 w0.1: v1(89.3,56.225) 89.45,56.075 89.45,54.541 91.166,52.825 92.094,52.825 ccw(c92.094,53.229) 92.498,53.229 92.498,53.45 cw(c92.702,53.45) 92.906,53.45 92.906,53.229 ccw(c93.31,53.229) 93.714,53.229 93.714,53.45 cw(c93.918,53.45) 94.122,53.45 94.122,53.229 ccw(c94.526,53.229) 94.93,53.229 94.93,53.45 cw(c95.134,53.45) 95.338,53.45 95.338,52.604 ccw(c95.742,52.604) 96.146,52.604 ; 96.146,52.621 cw(c96.35,52.621) 96.35,52.825 96.555,52.825 96.805,53.075 97.492,53.075 98.367,52.2 98.85,52.2 ccw(c98.85,52.604) 99.254,52.604 99.254,53.544 cw(c99.458,53.544) 99.662,53.544 99.662,52.604 ccw(c100.066,52.604) 100.47,52.604 100.47,53.774 cw(c100.674,53.774) 100.878,53.774 100.878,52.604 ccw(c101.282,52.604) 101.282,52.2 101.658,52.2 102.125,52.667 102.125,53.267 102.208,53.35 108.814,53.35 109.175,53.711 109.175,54.145 109.405,54.375 110.117,54.375 cw(c110.117,54.204) 110.288,54.204 ccw(c110.692,54.204) 111.096,54.204 cw(c111.267,54.204) 111.267,54.375 116.75,54.375 116.975,54.15 116.975,53.772 117.347,53.4 118.375,53.4 118.525,53.25 v2(118.525,53)
ADC_DB3_P: IC29.G14 IC37.5 | length 47.1
  Top w0.3: v1(89.8,56.225) IC37.5@89.8,57.55 IC37.5@89.8,57.9
  Top w0.4: v2(118.525,54) IC29.G14@119.025,53.5
  L6 w0.1: v1(89.8,56.225) 89.65,56.075 89.65,54.624 91.249,53.025 92.094,53.025 ccw(c92.094,53.229) 92.298,53.229 92.298,53.45 cw(c92.702,53.45) 93.106,53.45 93.106,53.229 ccw(c93.31,53.229) 93.514,53.229 93.514,53.45 cw(c93.918,53.45) 94.322,53.45 94.322,53.229 ccw(c94.526,53.229) 94.73,53.229 94.73,53.45 cw(c95.134,53.45) 95.538,53.45 95.538,52.604 ccw(c95.742,52.604) 95.946,52.604 ; 95.946,52.621 cw(c96.35,52.621) 96.35,53.025 96.472,53.025 96.722,53.275 97.575,53.275 98.45,52.4 98.85,52.4 ccw(c98.85,52.604) 99.054,52.604 99.054,53.544 cw(c99.458,53.544) 99.862,53.544 99.862,52.604 ccw(c100.066,52.604) 100.27,52.604 100.27,53.774 cw(c100.674,53.774) 101.078,53.774 101.078,52.604 ccw(c101.282,52.604) 101.282,52.4 101.575,52.4 101.925,52.75 101.925,53.35 102.125,53.55 108.731,53.55 108.975,53.794 108.975,54.228 109.322,54.575 110.117,54.575 cw(c110.117,54.204) 110.488,54.204 ccw(c110.692,54.204) 110.896,54.204 cw(c111.267,54.204) 111.267,54.575 116.833,54.575 117.175,54.233 117.175,53.855 117.43,53.6 118.375,53.6 118.525,53.75 v2(118.525,54)